# Altium PCB Goldstrike1_Rev01 - DLV.PcbDoc (part 3 of 3)
Units mm, origin at the board's own origin, x right, y up, seen from the top; angles counter-clockwise.
Board outline 170 x 260 mm, 4 copper layers (L1, L2, L3, L4), stack 1.577 mm thick; 674 components, 193 nets, 4474 pads, 0 vias.
Unrouted connection lines stored in the file: 3448.
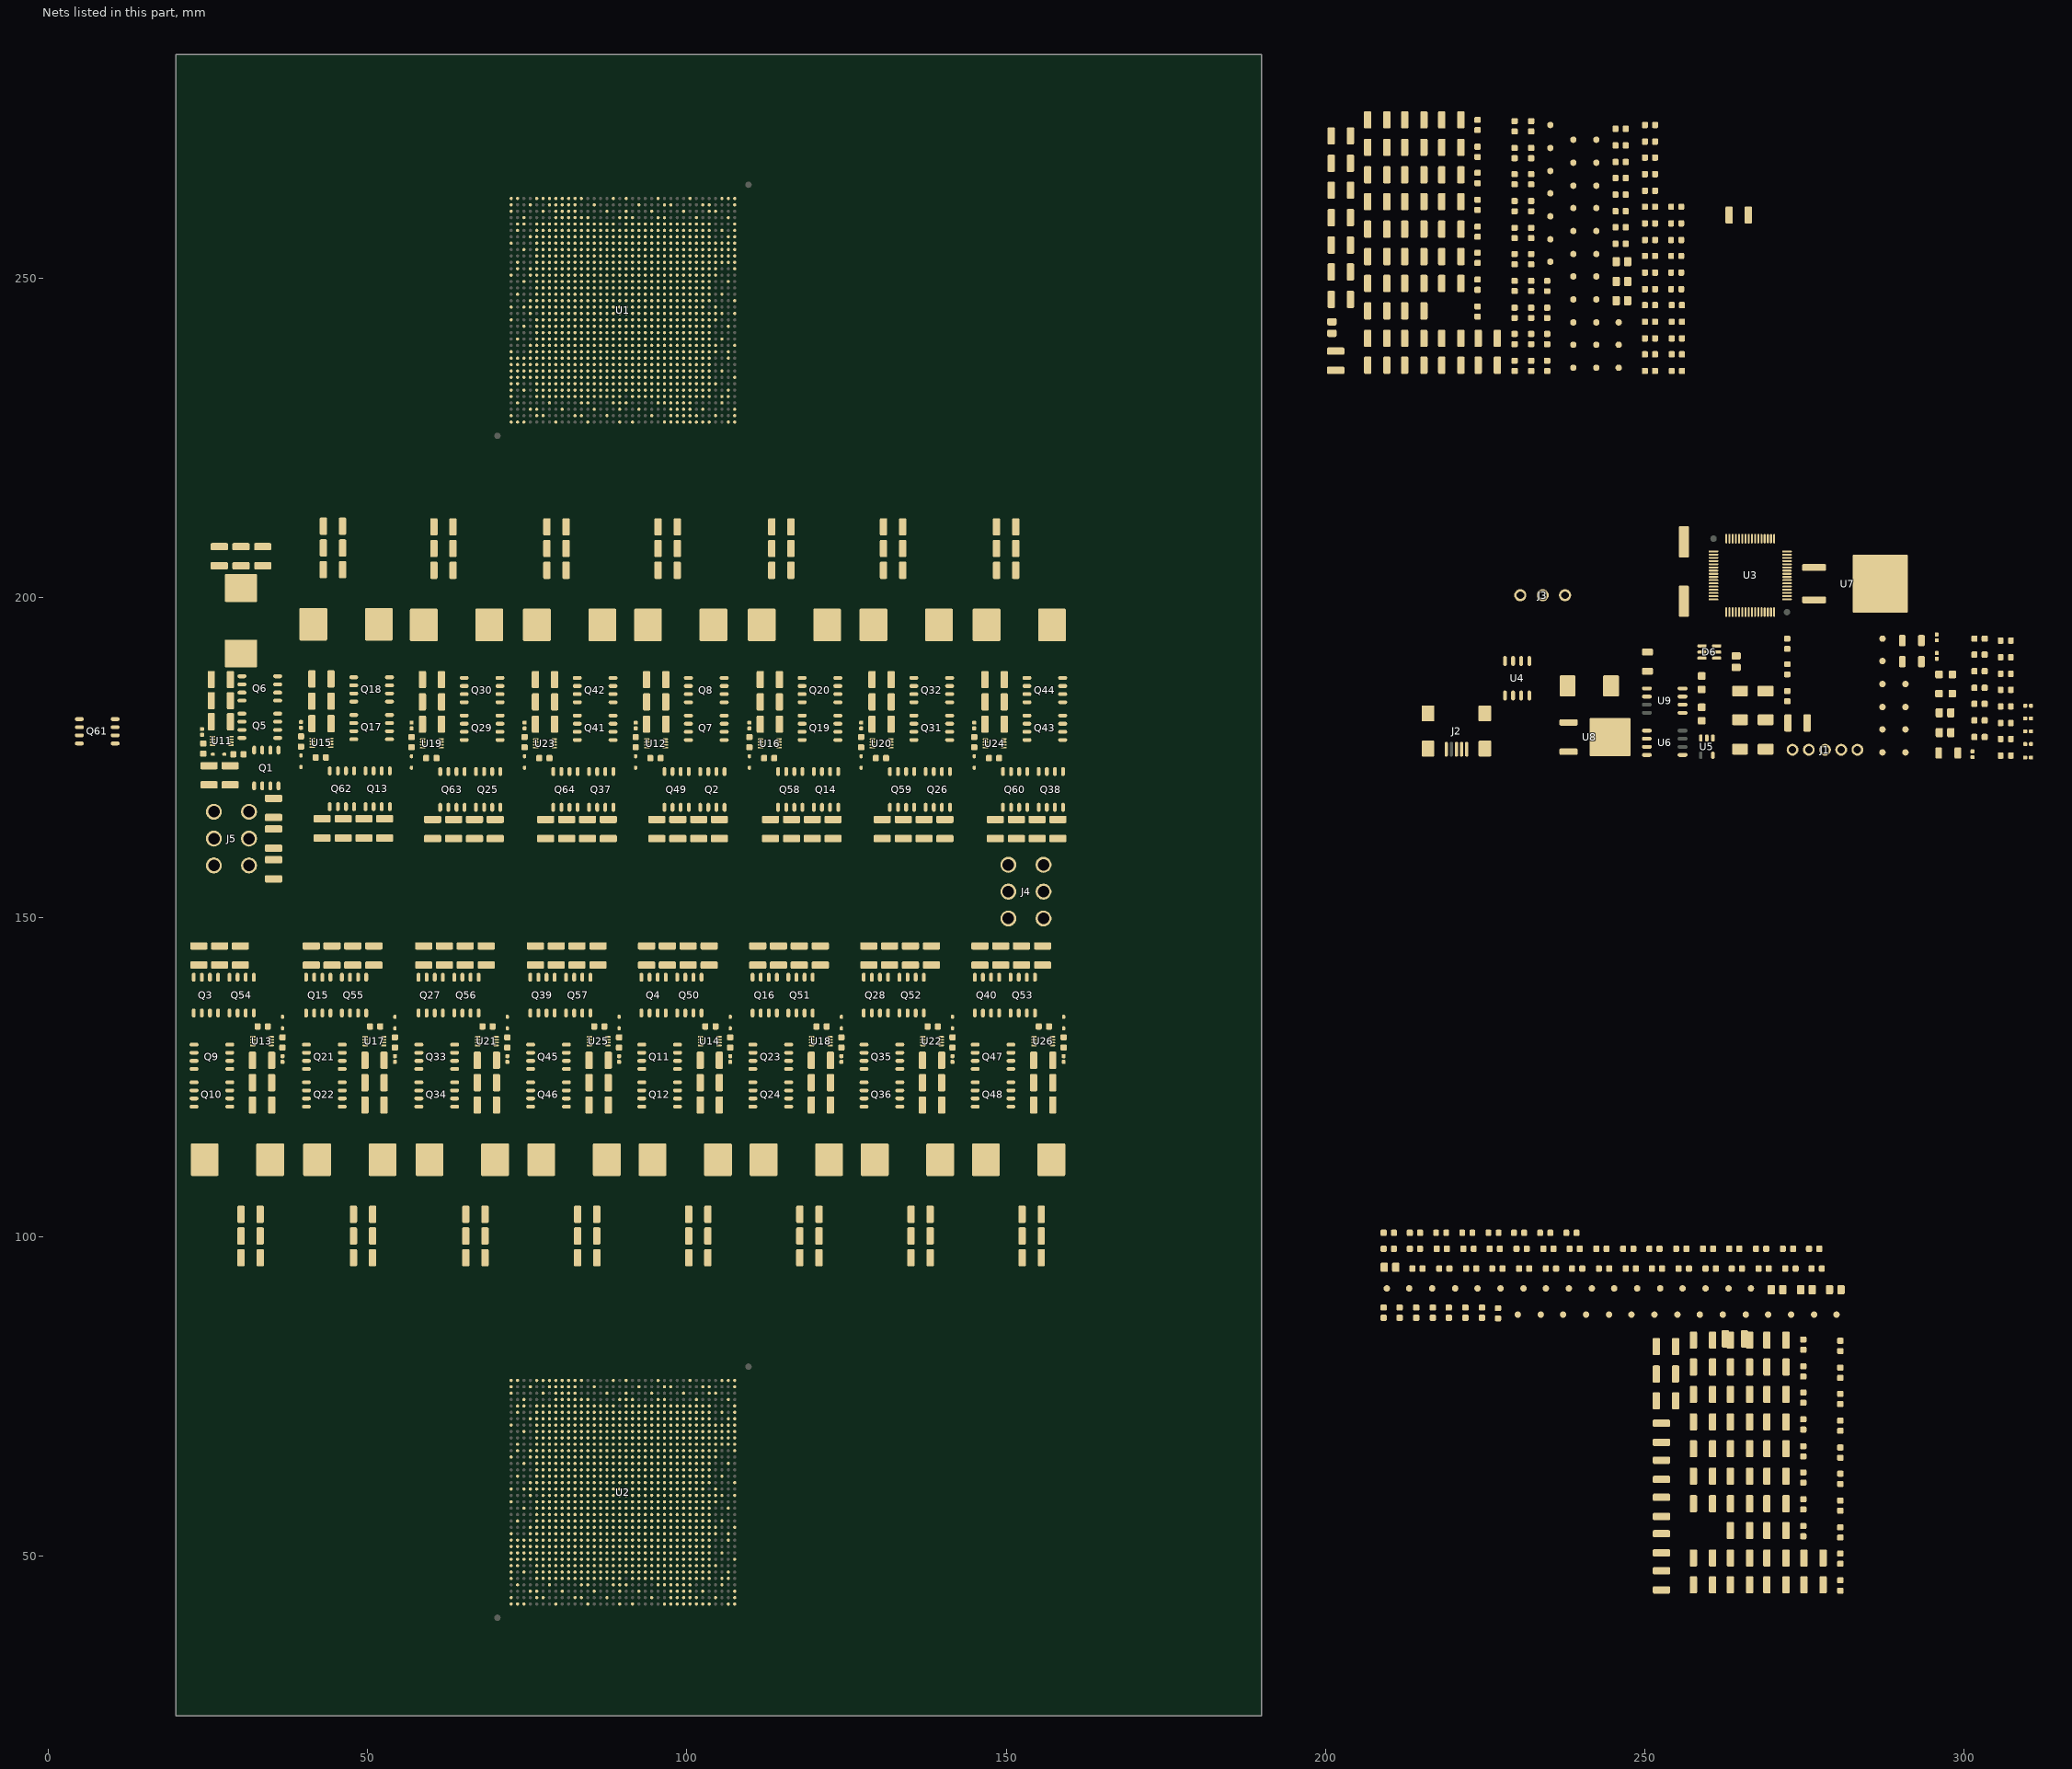
[diagram p3: the nets of this part, all layers, seen from the top]

## Nets (pads, with @x,y where several pads share a name; then routed paths per layer and width w, separated by ;. In a path a pad name is that pad's centre, name@x,y a point inside that pad or via, vN(x,y) a via of type N, cw(c..) or ccw(c..) an arc to the next point about the centre after c; other vN are vias at no path point)
1V: C19.2 C34.2 C35.2 C36.2 C39.2 C40.2 C41.2 C44.2 C45.2 C46.2 C49.2 C50.2 C51.2 C66.2 C67.2 C68.2 C71.2 C72.2 C73.2 C76.2 C77.2 C78.2 C81.2 C82.2 C83.2 C98.2 C99.2 C100.2 C103.2 C104.2 C105.2 C108.2 C109.2 C110.2 C113.2 C114.2 C115.2 C130.2 C131.2 C132.2 C135.2 C136.2 C137.2 C140.2 C141.2 C142.2 C145.2 C146.2 C147.2 C188.2 C189.2 C190.2 C191.2 C192.2 C193.2 C194.2 C195.2 C196.2 C197.2 C198.2 C199.2 C200.2 C201.2 C202.2 C203.2 C204.2 C205.2 C206.2 C207.2 C208.2 C209.2 C210.2 C211.2 C212.2 C213.2 C214.2 C215.2 C216.2 C217.2 C218.2 C219.2 C220.2 C221.2 C222.2 C223.2 C224.2 C225.2 C226.2 C227.2 C228.2 C229.2 C230.2 C231.2 C232.2 C233.2 C234.2 C235.2 C236.2 C237.2 C238.2 C239.2 C240.2 C241.2 C242.2 C243.2 C244.2 C245.2 C246.2 C247.2 C248.2 C249.2 C250.2 C251.2 C252.2 C253.2 C254.2 C255.2 C256.2 C257.2 C258.2 C259.2 C260.2 C261.2 C262.2 C263.2 C264.2 C265.2 C266.2 C267.2 C268.2 C269.2 C270.2 C271.2 C272.2 C273.2 C274.2 C275.2 C276.2 C277.2 C278.2 C279.2 C280.2 C281.2 C282.2 C283.2 C284.2 C285.2 C286.2 C287.2 C288.2 C289.2 C290.2 C291.2 C292.2 C293.2 C294.2 C295.2 C296.2 C297.2 C298.2 C299.2 C300.2 C301.2 C302.2 C303.2 C304.2 C305.2 C306.2 C307.2 C308.2 C309.2 C310.2 C311.2 C312.2 C313.2 C314.2 C315.2 C316.2 C317.2 C318.2 C319.2 C320.2 C321.2 C322.2 C323.2 C324.2 C325.2 C326.2 C327.2 C328.2 C329.2 C330.2 C331.2 C332.2 C333.2 C334.2 C335.2 C336.2 C337.2 C338.2 C339.2 C340.2 C341.2 C342.2 C343.2 C344.2 C345.2 C346.2 C350.2 C351.2 C352.2 C355.2 C356.2 C357.2 C360.2 C361.2 C362.2 C365.2 C366.2 C367.2 C370.2 C371.2 C372.2 C375.2 C376.2 C377.2 C380.2 C381.2 C382.2 C385.2 C386.2 C387.2 C388.2 C389.2 C390.2 C393.2 C394.2 C395.2 C396.2 C397.2 C398.2 C399.2 C400.2 C401.2 C408.2 C409.2 C410.2 C411.2 C412.2 C413.2 C414.2 C415.2 C416.2 C417.2 C418.2 C419.2 FB1.1 FB2.1 FB3.1 FB4.1 FB6.1 FB7.1 FB8.1 FB9.1 L1.2 L2.2 L3.2 L4.2 L5.2 L6.2 L7.2 L8.2 L9.2 L10.2 L11.2 L12.2 L13.2 L14.2 L15.2 L16.2 R6.2 U1.A11 U1.AA6 U1.AA8 U1.AA10 U1.AA12 U1.AA14 U1.AA16 U1.AA18 U1.AA19 U1.AA21 U1.AA23 U1.AA25 U1.AA27 U1.AA29 U1.AA31 U1.AB7 U1.AB9 U1.AB11 U1.AB13 U1.AB15 U1.AB17 U1.AB20 U1.AB22 U1.AB24 U1.AB26 U1.AB28 U1.AB30 U1.AB32 U1.AC6 U1.AC8 U1.AC10 U1.AC12 U1.AC14 U1.AC16 U1.AC18 U1.AC19 U1.AC21 U1.AC23 U1.AC25 U1.AC27 U1.AC29 U1.AC31 U1.AD5 U1.AD7 U1.AD9 U1.AD11 U1.AD13 U1.AD15 U1.AD17 U1.AD20 U1.AD22 U1.AD24 U1.AD26 U1.AD28 U1.AD30 U1.AD32 U1.AE6 U1.AE8 U1.AE10 U1.AE12 U1.AE14 U1.AE16 U1.AE18 U1.AE19 U1.AE21 U1.AE23 U1.AE25 U1.AE27 U1.AE29 U1.AE31 U1.AF1 U1.AF7 U1.AF9 U1.AF11 U1.AF13 U1.AF15 U1.AF17 U1.AF20 U1.AF22 U1.AF24 U1.AF26 U1.AF28 U1.AF30 U1.AF32 U1.AG6 U1.AG8 U1.AG10 U1.AG12 U1.AG14 U1.AG16 U1.AG18 U1.AG19 U1.AG21 U1.AG23 U1.AG25 U1.AG27 U1.AG29 U1.AG31 U1.AH5 U1.AH7 U1.AH9 U1.AH11 U1.AH13 U1.AH15 U1.AH17 U1.AH20 U1.AH22 U1.AH24 U1.AH26 U1.AH28 U1.AH30 U1.AH32 U1.AJ6 U1.AJ8 U1.AJ10 U1.AJ12 U1.AJ14 U1.AJ16 U1.AJ18 U1.AJ19 U1.AJ21 U1.AJ23 U1.AJ25 U1.AJ27 U1.AJ29 U1.AJ31 U1.AK5 U1.AK7 U1.AK9 U1.AK11 U1.AK13 U1.AK15 U1.AK17 U1.AK20 U1.AK22 U1.AK24 U1.AK26 U1.AK28 U1.AK30 U1.AL6 U1.AL8 U1.AL10 U1.AL12 U1.AL14 U1.AL16 U1.AL18 U1.AL19 U1.AL21 U1.AL23 U1.AL25 U1.AL27 U1.AL29 U1.AL31 U1.AM9 U1.AM11 U1.AM13 U1.AM15 U1.AM17 U1.AM24 U1.AM28 U1.AM30 U1.AN18 U1.AT26 U1.D19 U1.E7 U1.E9 U1.E13 U1.E20 U1.E22 U1.E24 U1.E26 U1.E28 U1.F6 U1.F8 U1.F10 U1.F12 U1.F14 U1.F16 U1.F18 U1.F19 U1.F21 U1.F23 U1.F25 U1.F27 U1.F29 U1.F31 U1.G7 U1.G9 U1.G11 U1.G13 U1.G15 U1.G17 U1.G20 U1.G22 U1.G24 U1.G26 U1.G28 U1.G30 U1.G32 U1.H6 U1.H8 U1.H10 U1.H12 U1.H14 U1.H16 U1.H18 U1.H19 U1.H21 U1.H23 U1.H25 U1.H27 U1.H29 U1.H31 U1.J5 U1.J7 U1.J9 U1.J11 U1.J13 U1.J15 U1.J17 U1.J20 U1.J22 U1.J24 U1.J26 U1.J28 U1.J30 U1.J32 U1.K6 U1.K8 U1.K10 U1.K12 U1.K14 U1.K16 U1.K18 U1.K19 U1.K21 U1.K23 U1.K25 U1.K27 U1.K29 U1.K31 U1.L5 U1.L7 U1.L9 U1.L11 U1.L13 U1.L15 U1.L17 U1.L20 U1.L22 U1.L24 U1.L26 U1.L28 U1.L30 U1.L36 U1.M6 U1.M8 U1.M10 U1.M12 U1.M14 U1.M16 U1.M18 U1.M19 U1.M21 U1.M23 U1.M25 U1.M27 U1.M29 U1.M31 U1.N5 U1.N7 U1.N9 U1.N11 U1.N13 U1.N15 U1.N17 U1.N20 U1.N22 U1.N24 U1.N26 U1.N28 U1.N30 U1.N32 U1.P6 U1.P8 U1.P10 U1.P12 U1.P14 U1.P16 U1.P18 U1.P19 U1.P21 U1.P23 U1.P25 U1.P27 U1.P29 U1.P31 U1.R5 U1.R7 U1.R9 U1.R11 U1.R13 U1.R15 U1.R17 U1.R20 U1.R22 U1.R24 U1.R26 U1.R28 U1.R30 U1.T6 U1.T8 U1.T10 U1.T12 U1.T14 U1.T16 U1.T18 U1.T19 U1.T21 U1.T23 U1.T25 U1.T27 U1.T29 U1.T31 U1.U5 U1.U7 U1.U9 U1.U11 U1.U13 U1.U15 U1.U17 U1.U20 U1.U22 U1.U24 U1.U26 U1.U28 U1.U30 U1.V4 U1.V6 U1.V8 U1.V10 U1.V12 U1.V14 U1.V16 U1.V18 U1.V19 U1.V21 U1.V23 U1.V25 U1.V27 U1.V29 U1.V31 U1.W6 U1.W8 U1.W10 U1.W12 U1.W14 U1.W16 U1.W18 U1.W19 U1.W21 U1.W23 U1.W25 U1.W27 U1.W29 U1.W31 U1.W33 U1.Y7 U1.Y9 U1.Y11 U1.Y13 U1.Y15 U1.Y17 U1.Y20 U1.Y22 U1.Y24 U1.Y26 U1.Y28 U1.Y30 U1.Y32 U2.A11 U2.AA6 U2.AA8 U2.AA10 U2.AA12 U2.AA14 U2.AA16 U2.AA18 U2.AA19 U2.AA21 U2.AA23 U2.AA25 U2.AA27 U2.AA29 U2.AA31 U2.AB7 U2.AB9 U2.AB11 U2.AB13 U2.AB15 U2.AB17 U2.AB20 U2.AB22 U2.AB24 U2.AB26 U2.AB28 U2.AB30 U2.AB32 U2.AC6 U2.AC8 U2.AC10 U2.AC12 U2.AC14 U2.AC16 U2.AC18 U2.AC19 U2.AC21 U2.AC23 U2.AC25 U2.AC27 U2.AC29 U2.AC31 U2.AD5 U2.AD7 U2.AD9 U2.AD11 U2.AD13 U2.AD15 U2.AD17 U2.AD20 U2.AD22 U2.AD24 U2.AD26 U2.AD28 U2.AD30 U2.AD32 U2.AE6 U2.AE8 U2.AE10 U2.AE12 U2.AE14 U2.AE16 U2.AE18 U2.AE19 U2.AE21 U2.AE23 U2.AE25 U2.AE27 U2.AE29 U2.AE31 U2.AF1 U2.AF7 U2.AF9 U2.AF11 U2.AF13 U2.AF15 U2.AF17 U2.AF20 U2.AF22 U2.AF24 U2.AF26 U2.AF28 U2.AF30 U2.AF32 U2.AG6 U2.AG8 U2.AG10 U2.AG12 U2.AG14 U2.AG16 U2.AG18 U2.AG19 U2.AG21 U2.AG23 U2.AG25 U2.AG27 U2.AG29 U2.AG31 U2.AH5 U2.AH7 U2.AH9 U2.AH11 U2.AH13 U2.AH15 U2.AH17 U2.AH20 U2.AH22 U2.AH24 U2.AH26 U2.AH28 U2.AH30 U2.AH32 U2.AJ6 U2.AJ8 U2.AJ10 U2.AJ12 U2.AJ14 U2.AJ16 U2.AJ18 U2.AJ19 U2.AJ21 U2.AJ23 U2.AJ25 U2.AJ27 U2.AJ29 U2.AJ31 U2.AK5 U2.AK7 U2.AK9 U2.AK11 U2.AK13 U2.AK15 U2.AK17 U2.AK20 U2.AK22 U2.AK24 U2.AK26 U2.AK28 U2.AK30 U2.AL6 U2.AL8 U2.AL10 U2.AL12 U2.AL14 U2.AL16 U2.AL18 U2.AL19 U2.AL21 U2.AL23 U2.AL25 U2.AL27 U2.AL29 U2.AL31 U2.AM9 U2.AM11 U2.AM13 U2.AM15 U2.AM17 U2.AM24 U2.AM28 U2.AM30 U2.AN18 U2.AT26 U2.D19 U2.E7 U2.E9 U2.E13 U2.E20 U2.E22 U2.E24 U2.E26 U2.E28 U2.F6 U2.F8 U2.F10 U2.F12 U2.F14 U2.F16 U2.F18 U2.F19 U2.F21 U2.F23 U2.F25 U2.F27 U2.F29 U2.F31 U2.G7 U2.G9 U2.G11 U2.G13 U2.G15 U2.G17 U2.G20 U2.G22 U2.G24 U2.G26 U2.G28 U2.G30 U2.G32 U2.H6 U2.H8 U2.H10 U2.H12 U2.H14 U2.H16 U2.H18 U2.H19 U2.H21 U2.H23 U2.H25 U2.H27 U2.H29 U2.H31 U2.J5 U2.J7 U2.J9 U2.J11 U2.J13 U2.J15 U2.J17 U2.J20 U2.J22 U2.J24 U2.J26 U2.J28 U2.J30 U2.J32 U2.K6 U2.K8 U2.K10 U2.K12 U2.K14 U2.K16 U2.K18 U2.K19 U2.K21 U2.K23 U2.K25 U2.K27 U2.K29 U2.K31 U2.L5 U2.L7 U2.L9 U2.L11 U2.L13 U2.L15 U2.L17 U2.L20 U2.L22 U2.L24 U2.L26 U2.L28 U2.L30 U2.L36 U2.M6 U2.M8 U2.M10 U2.M12 U2.M14 U2.M16 U2.M18 U2.M19 U2.M21 U2.M23 U2.M25 U2.M27 U2.M29 U2.M31 U2.N5 U2.N7 U2.N9 U2.N11 U2.N13 U2.N15 U2.N17 U2.N20 U2.N22 U2.N24 U2.N26 U2.N28 U2.N30 U2.N32 U2.P6 U2.P8 U2.P10 U2.P12 U2.P14 U2.P16 U2.P18 U2.P19 U2.P21 U2.P23 U2.P25 U2.P27 U2.P29 U2.P31 U2.R5 U2.R7 U2.R9 U2.R11 U2.R13 U2.R15 U2.R17 U2.R20 U2.R22 U2.R24 U2.R26 U2.R28 U2.R30 U2.T6 U2.T8 U2.T10 U2.T12 U2.T14 U2.T16 U2.T18 U2.T19 U2.T21 U2.T23 U2.T25 U2.T27 U2.T29 U2.T31 U2.U5 U2.U7 U2.U9 U2.U11 U2.U13 U2.U15 U2.U17 U2.U20 U2.U22 U2.U24 U2.U26 U2.U28 U2.U30 U2.V4 U2.V6 U2.V8 U2.V10 U2.V12 U2.V14 U2.V16 U2.V18 U2.V19 U2.V21 U2.V23 U2.V25 U2.V27 U2.V29 U2.V31 U2.W6 U2.W8 U2.W10 U2.W12 U2.W14 U2.W16 U2.W18 U2.W19 U2.W21 U2.W23 U2.W25 U2.W27 U2.W29 U2.W31 U2.W33 U2.Y7 U2.Y9 U2.Y11 U2.Y13 U2.Y15 U2.Y17 U2.Y20 U2.Y22 U2.Y24 U2.Y26 U2.Y28 U2.Y30 U2.Y32
3.3V: C4.1 C6.1 C7.1 C8.1 C9.1 C13.2 C14.1 C24.1 C25.1 C26.1 C27.1 C56.1 C57.1 C58.1 C59.1 C88.1 C89.1 C90.1 C91.1 C120.1 C121.1 C122.1 C123.1 C164.2 C165.2 C166.2 C167.2 C168.2 C169.2 C170.2 C171.2 C172.2 C173.2 C174.2 C175.2 C176.2 C177.2 C178.2 C179.2 C180.2 C181.2 C182.2 C183.2 C184.2 C185.2 C186.2 C187.2 C347.1 J1.2 R9.2 R14.2 R21.1 R27.1 R28.1 R29.1 R30.1 R31.1 R32.1 R33.1 R34.1 U1.A7 U1.A17 U1.A24 U1.A34 U1.AA35 U1.AB5 U1.AC2 U1.AD36 U1.AE33 U1.AF3 U1.AH34 U1.AJ4 U1.AK1 U1.AL35 U1.AM5 U1.AM22 U1.AM32 U1.AM34 U1.AN2 U1.AN12 U1.AN19 U1.AN29 U1.AP5 U1.AP9 U1.AP26 U1.AP36 U1.AR6 U1.AR16 U1.AR23 U1.AR33 U1.AT3 U1.AT13 U1.AT20 U1.AT30 U1.B4 U1.B14 U1.B21 U1.B31 U1.C1 U1.C11 U1.C28 U1.C32 U1.D8 U1.D18 U1.D25 U1.D35 U1.E3 U1.E5 U1.E15 U1.E32 U1.F2 U1.G36 U1.H33 U1.J3 U1.L34 U1.M4 U1.N1 U1.P35 U1.R32 U1.T2 U1.U36 U1.V33 U1.W4 U1.Y1 U2.A7 U2.A17 U2.A24 U2.A34 U2.AA35 U2.AB5 U2.AC2 U2.AD36 U2.AE33 U2.AF3 U2.AH34 U2.AJ4 U2.AK1 U2.AL35 U2.AM5 U2.AM22 U2.AM32 U2.AM34 U2.AN2 U2.AN12 U2.AN19 U2.AN29 U2.AP5 U2.AP9 U2.AP26 U2.AP36 U2.AR6 U2.AR16 U2.AR23 U2.AR33 U2.AT3 U2.AT13 U2.AT20 U2.AT30 U2.B4 U2.B14 U2.B21 U2.B31 U2.C1 U2.C11 U2.C28 U2.C32 U2.D8 U2.D18 U2.D25 U2.D35 U2.E3 U2.E5 U2.E15 U2.E32 U2.F2 U2.G36 U2.H33 U2.J3 U2.L34 U2.M4 U2.N1 U2.P35 U2.R32 U2.T2 U2.U36 U2.V33 U2.W4 U2.Y1 U3.10 U3.19 U3.26 U3.35 U3.38 U3.57 U5.5 U6.1 U11.6 U12.6 U13.6 U14.6 U15.6 U16.6 U17.6 U18.6 U19.6 U20.6 U21.6 U22.6 U23.6 U24.6 U25.6 U26.6
5.0V: C12.1 C20.2 C21.2 C22.2 C23.2 C52.2 C53.2 C54.2 C55.2 C84.2 C85.2 C86.2 C87.2 C116.2 C117.2 C118.2 C119.2 D5.2 D7.1 D10.2 D11.2 D12.2 D13.2 D14.2 D15.2 D16.2 D17.2 D18.2 D19.2 D20.2 D21.2 D22.2 D23.2 D24.2 D25.2 J3.1 R12.1 U4.1 U7.3 U8.3 U11.7 U12.7 U13.7 U14.7 U15.7 U16.7 U17.7 U18.7 U19.7 U20.7 U21.7 U22.7 U23.7 U24.7 U25.7 U26.7
12V: C32.2 C33.2 C37.2 C38.2 C42.2 C43.2 C47.2 C48.2 C64.2 C65.2 C69.2 C70.2 C74.2 C75.2 C79.2 C80.2 C96.2 C97.2 C101.2 C102.2 C106.2 C107.2 C111.2 C112.2 C128.2 C129.2 C133.2 C134.2 C138.2 C139.2 C143.2 C144.2 C348.2 C349.2 C353.2 C354.2 C358.2 C359.2 C363.2 C364.2 C368.2 C369.2 C373.2 C374.2 C378.2 C379.2 C383.2 C384.2 C391.2 C392.2 C402.2 C403.2 C404.2 C405.2 C406.2 C407.2 C420.2 C421.2 C422.2 C423.2 C424.2 C425.2 C426.2 C427.2 D8.2 D9.1 J3.3 J4.1 J4.2 J4.3 J5.1 J5.2 J5.3 Q1.5 Q1.6 Q1.7 Q1.8 Q2.5 Q2.6 Q2.7 Q2.8 Q3.5 Q3.6 Q3.7 Q3.8 Q4.5 Q4.6 Q4.7 Q4.8 Q13.5 Q13.6 Q13.7 Q13.8 Q14.5 Q14.6 Q14.7 Q14.8 Q15.5 Q15.6 Q15.7 Q15.8 Q16.5 Q16.6 Q16.7 Q16.8 Q25.5 Q25.6 Q25.7 Q25.8 Q26.5 Q26.6 Q26.7 Q26.8 Q27.5 Q27.6 Q27.7 Q27.8 Q28.5 Q28.6 Q28.7 Q28.8 Q37.5 Q37.6 Q37.7 Q37.8 Q38.5 Q38.6 Q38.7 Q38.8 Q39.5 Q39.6 Q39.7 Q39.8 Q40.5 Q40.6 Q40.7 Q40.8 Q49.5 Q49.6 Q49.7 Q49.8 Q50.5 Q50.6 Q50.7 Q50.8 Q51.5 Q51.6 Q51.7 Q51.8 Q52.5 Q52.6 Q52.7 Q52.8 Q53.5 Q53.6 Q53.7 Q53.8 Q54.5 Q54.6 Q54.7 Q54.8 Q55.5 Q55.6 Q55.7 Q55.8 Q56.5 Q56.6 Q56.7 Q56.8 Q57.5 Q57.6 Q57.7 Q57.8 Q58.5 Q58.6 Q58.7 Q58.8 Q59.5 Q59.6 Q59.7 Q59.8 Q60.5 Q60.6 Q60.7 Q60.8 Q61.5 Q61.6 Q61.7 Q61.8 Q62.5 Q62.6 Q62.7 Q62.8 Q63.5 Q63.6 Q63.7 Q63.8 Q64.5 Q64.6 Q64.7 Q64.8 R4.1 R13.2
ANAVDD_PLL_1: C148.1 C149.1 FB1.2 U1.AF5
ANAVDD_PLL_2: C150.1 C151.1 FB3.2 U1.AM26
ANAVDD_PLL_3: C152.1 C153.1 FB2.2 U1.L32
ANAVDD_PLL_4: C154.1 C155.1 FB4.2 U1.E11
ANAVDD_PLL_5: C156.1 C157.1 FB6.2 U2.AF5
ANAVDD_PLL_6: C158.1 C159.1 FB8.2 U2.AM26
ANAVDD_PLL_7: C160.1 C161.1 FB7.2 U2.L32
ANAVDD_PLL_8: C162.1 C163.1 FB9.2 U2.E11
BOOT1: C28.1 D10.1 U11.8
BOOT2: C60.1 D14.1 U15.8
BOOT3: C92.1 D18.1 U19.8
BOOT4: C124.1 D22.1 U23.8
BOOT5: C29.1 D11.1 U12.8
BOOT6: C61.1 D15.1 U16.8
BOOT7: C93.1 D19.1 U20.8
BOOT8: C125.1 D23.1 U24.8
BOOT9: C30.1 D12.1 U13.8
BOOT10: C62.1 D16.1 U17.8
BOOT11: C94.1 D20.1 U21.8
BOOT12: C126.1 D24.1 U25.8
BOOT13: C31.1 D13.1 U14.8
BOOT14: C63.1 D17.1 U18.8
BOOT15: C95.1 D21.1 U22.8
BOOT16: C127.1 D25.1 U26.8
D+: D6.1 J2.3 U3.37
D-: D6.3 J2.2 U3.36
FB: C3.1 R6.1 U3.17
GND: C1.2 C2.2 C3.2 C4.2 C5.2 C6.2 C7.2 C8.2 C9.2 C10.2 C11.2 C12.2 C13.1 C14.2 C15.2 C16.2 C17.2 C18.2 C19.1 C20.1 C21.1 C22.1 C23.1 C24.2 C25.2 C26.2 C27.2 C32.1 C33.1 C34.1 C35.1 C36.1 C37.1 C38.1 C39.1 C40.1 C41.1 C42.1 C43.1 C44.1 C45.1 C46.1 C47.1 C48.1 C49.1 C50.1 C51.1 C52.1 C53.1 C54.1 C55.1 C56.2 C57.2 C58.2 C59.2 C64.1 C65.1 C66.1 C67.1 C68.1 C69.1 C70.1 C71.1 C72.1 C73.1 C74.1 C75.1 C76.1 C77.1 C78.1 C79.1 C80.1 C81.1 C82.1 C83.1 C84.1 C85.1 C86.1 C87.1 C88.2 C89.2 C90.2 C91.2 C96.1 C97.1 C98.1 C99.1 C100.1 C101.1 C102.1 C103.1 C104.1 C105.1 C106.1 C107.1 C108.1 C109.1 C110.1 C111.1 C112.1 C113.1 C114.1 C115.1 C116.1 C117.1 C118.1 C119.1 C120.2 C121.2 C122.2 C123.2 C128.1 C129.1 C130.1 C131.1 C132.1 C133.1 C134.1 C135.1 C136.1 C137.1 C138.1 C139.1 C140.1 C141.1 C142.1 C143.1 C144.1 C145.1 C146.1 C147.1 C148.2 C149.2 C150.2 C151.2 C152.2 C153.2 C154.2 C155.2 C156.2 C157.2 C158.2 C159.2 C160.2 C161.2 C162.2 C163.2 C164.1 C165.1 C166.1 C167.1 C168.1 C169.1 C170.1 C171.1 C172.1 C173.1 C174.1 C175.1 C176.1 C177.1 C178.1 C179.1 C180.1 C181.1 C182.1 C183.1 C184.1 C185.1 C186.1 C187.1 C188.1 C189.1 C190.1 C191.1 C192.1 C193.1 C194.1 C195.1 C196.1 C197.1 C198.1 C199.1 C200.1 C201.1 C202.1 C203.1 C204.1 C205.1 C206.1 C207.1 C208.1 C209.1 C210.1 C211.1 C212.1 C213.1 C214.1 C215.1 C216.1 C217.1 C218.1 C219.1 C220.1 C221.1 C222.1 C223.1 C224.1 C225.1 C226.1 C227.1 C228.1 C229.1 C230.1 C231.1 C232.1 C233.1 C234.1 C235.1 C236.1 C237.1 C238.1 C239.1 C240.1 C241.1 C242.1 C243.1 C244.1 C245.1 C246.1 C247.1 C248.1 C249.1 C250.1 C251.1 C252.1 C253.1 C254.1 C255.1 C256.1 C257.1 C258.1 C259.1 C260.1 C261.1 C262.1 C263.1 C264.1 C265.1 C266.1 C267.1 C268.1 C269.1 C270.1 C271.1 C272.1 C273.1 C274.1 C275.1 C276.1 C277.1 C278.1 C279.1 C280.1 C281.1 C282.1 C283.1 C284.1 C285.1 C286.1 C287.1 C288.1 C289.1 C290.1 C291.1 C292.1 C293.1 C294.1 C295.1 C296.1 C297.1 C298.1 C299.1 C300.1 C301.1 C302.1 C303.1 C304.1 C305.1 C306.1 C307.1 C308.1 C309.1 C310.1 C311.1 C312.1 C313.1 C314.1 C315.1 C316.1 C317.1 C318.1 C319.1 C320.1 C321.1 C322.1 C323.1 C324.1 C325.1 C326.1 C327.1 C328.1 C329.1 C330.1 C331.1 C332.1 C333.1 C334.1 C335.1 C336.1 C337.1 C338.1 C339.1 C340.1 C341.1 C342.1 C343.1 C344.1 C345.1 C346.1 C347.2 C348.1 C349.1 C350.1 C351.1 C352.1 C353.1 C354.1 C355.1 C356.1 C357.1 C358.1 C359.1 C360.1 C361.1 C362.1 C363.1 C364.1 C365.1 C366.1 C367.1 C368.1 C369.1 C370.1 C371.1 C372.1 C373.1 C374.1 C375.1 C376.1 C377.1 C378.1 C379.1 C380.1 C381.1 C382.1 C383.1 C384.1 C385.1 C386.1 C387.1 C388.1 C389.1 C390.1 C391.1 C392.1 C393.1 C394.1 C395.1 C396.1 C397.1 C398.1 C399.1 C400.1 C401.1 C402.1 C403.1 C404.1 C405.1 C406.1 C407.1 C408.1 C409.1 C410.1 C411.1 C412.1 C413.1 C414.1 C415.1 C416.1 C417.1 C418.1 C419.1 C420.1 C421.1 C422.1 C423.1 C424.1 C425.1 C426.1 C427.1 D1.1 D2.1 D3.1 D4.1 D6.2 D6.5 D9.2 J1.3 J2.5 J2.6 J2.7 J2.8 J2.9 J3.2 J4.4 J4.5 J4.6 J5.4 J5.5 J5.6 Q5.1 Q5.2 Q5.3 Q6.1 Q6.2 Q6.3 Q7.1 Q7.2 Q7.3 Q8.1 Q8.2 Q8.3 Q9.1 Q9.2 Q9.3 Q10.1 Q10.2 Q10.3 Q11.1 Q11.2 Q11.3 Q12.1 Q12.2 Q12.3 Q17.1 Q17.2 Q17.3 Q18.1 Q18.2 Q18.3 Q19.1 Q19.2 Q19.3 Q20.1 Q20.2 Q20.3 Q21.1 Q21.2 Q21.3 Q22.1 Q22.2 Q22.3 Q23.1 Q23.2 Q23.3 Q24.1 Q24.2 Q24.3 Q29.1 Q29.2 Q29.3 Q30.1 Q30.2 Q30.3 Q31.1 Q31.2 Q31.3 Q32.1 Q32.2 Q32.3 Q33.1 Q33.2 Q33.3 Q34.1 Q34.2 Q34.3 Q35.1 Q35.2 Q35.3 Q36.1 Q36.2 Q36.3 Q41.1 Q41.2 Q41.3 Q42.1 Q42.2 Q42.3 Q43.1 Q43.2 Q43.3 Q44.1 Q44.2 Q44.3 Q45.1 Q45.2 Q45.3 Q46.1 Q46.2 Q46.3 Q47.1 Q47.2 Q47.3 Q48.1 Q48.2 Q48.3 R1.2 R2.2 R3.2 R5.1 R17.2 R20.2 R22.2 R23.2 R26.2 TP70.1 TP71.1 TP72.1 TP73.1 TP74.1 TP75.1 TP76.1 TP77.1 U1.A1 U1.A2 U1.A10 U1.A12 U1.A19 U1.A29 U1.A35 U1.A36 U1.AA3 U1.AA5 U1.AA7 U1.AA9 U1.AA11 U1.AA13 U1.AA15 U1.AA17 U1.AA20 U1.AA22 U1.AA24 U1.AA26 U1.AA28 U1.AA30 U1.AA32 U1.AB6 U1.AB8 U1.AB10 U1.AB12 U1.AB14 U1.AB16 U1.AB18 U1.AB19 U1.AB21 U1.AB23 U1.AB25 U1.AB27 U1.AB29 U1.AB31 U1.AC5 U1.AC7 U1.AC9 U1.AC11 U1.AC13 U1.AC15 U1.AC17 U1.AC20 U1.AC22 U1.AC24 U1.AC26 U1.AC28 U1.AC30 U1.AC32 U1.AC34 U1.AD4 U1.AD6 U1.AD8 U1.AD10 U1.AD12 U1.AD14 U1.AD16 U1.AD18 U1.AD19 U1.AD21 U1.AD23 U1.AD25 U1.AD27 U1.AD29 U1.AD31 U1.AE1 U1.AE5 U1.AE7 U1.AE9 U1.AE11 U1.AE13 U1.AE15 U1.AE17 U1.AE20 U1.AE22 U1.AE24 U1.AE26 U1.AE28 U1.AE30 U1.AE32 U1.AF2 U1.AF6 U1.AF8 U1.AF10 U1.AF12 U1.AF14 U1.AF16 U1.AF18 U1.AF19 U1.AF21 U1.AF23 U1.AF25 U1.AF27 U1.AF29 U1.AF31 U1.AF35 U1.AG1 U1.AG5 U1.AG7 U1.AG9 U1.AG11 U1.AG13 U1.AG15 U1.AG17 U1.AG20 U1.AG22 U1.AG24 U1.AG26 U1.AG28 U1.AG30 U1.AG32 U1.AH2 U1.AH6 U1.AH8 U1.AH10 U1.AH12 U1.AH14 U1.AH16 U1.AH18 U1.AH19 U1.AH21 U1.AH23 U1.AH25 U1.AH27 U1.AH29 U1.AH31 U1.AJ5 U1.AJ7 U1.AJ9 U1.AJ11 U1.AJ13 U1.AJ15 U1.AJ17 U1.AJ20 U1.AJ22 U1.AJ24 U1.AJ26 U1.AJ28 U1.AJ30 U1.AJ32 U1.AJ36 U1.AK6 U1.AK8 U1.AK10 U1.AK12 U1.AK14 U1.AK16 U1.AK18 U1.AK19 U1.AK21 U1.AK23 U1.AK25 U1.AK27 U1.AK29 U1.AK31 U1.AK33 U1.AL3 U1.AL5 U1.AL7 U1.AL9 U1.AL11 U1.AL13 U1.AL15 U1.AL17 U1.AL20 U1.AL22 U1.AL24 U1.AL26 U1.AL28 U1.AL30 U1.AM8 U1.AM10 U1.AM12 U1.AM14 U1.AM16 U1.AM18 U1.AM20 U1.AM21 U1.AM23 U1.AM25 U1.AM27 U1.AM29 U1.AM31 U1.AM35 U1.AN7 U1.AN17 U1.AN24 U1.AN34 U1.AP4 U1.AP14 U1.AP18 U1.AP21 U1.AP31 U1.AR1 U1.AR5 U1.AR11 U1.AR26 U1.AR28 U1.AR36 U1.AT1 U1.AT2 U1.AT8 U1.AT18 U1.AT25 U1.AT27 U1.AT35 U1.AT36 U1.B1 U1.B9 U1.B11 U1.B26 U1.B32 U1.B36 U1.C6 U1.C16 U1.C19 U1.C23 U1.C33 U1.D3 U1.D13 U1.D20 U1.D30 U1.E2 U1.E6 U1.E8 U1.E10 U1.E12 U1.E14 U1.E16 U1.E17 U1.E19 U1.E21 U1.E23 U1.E25 U1.E27 U1.E29 U1.F7 U1.F9 U1.F11 U1.F13 U1.F15 U1.F17 U1.F20 U1.F22 U1.F24 U1.F26 U1.F28 U1.F30 U1.F32 U1.F34 U1.G4 U1.G6 U1.G8 U1.G10 U1.G12 U1.G14 U1.G16 U1.G18 U1.G19 U1.G21 U1.G23 U1.G25 U1.G27 U1.G29 U1.G31 U1.H1 U1.H5 U1.H7 U1.H9 U1.H11 U1.H13 U1.H15 U1.H17 U1.H20 U1.H22 U1.H24 U1.H26 U1.H28 U1.H30 U1.H32 U1.J6 U1.J8 U1.J10 U1.J12 U1.J14 U1.J16 U1.J18 U1.J19 U1.J21 U1.J23 U1.J25 U1.J27 U1.J29 U1.J31 U1.J35 U1.K5 U1.K7 U1.K9 U1.K11 U1.K13 U1.K15 U1.K17 U1.K20 U1.K22 U1.K24 U1.K26 U1.K28 U1.K30 U1.K32 U1.K36 U1.L2 U1.L6 U1.L8 U1.L10 U1.L12 U1.L14 U1.L16 U1.L18 U1.L19 U1.L21 U1.L23 U1.L25 U1.L27 U1.L29 U1.L31 U1.L35 U1.M5 U1.M7 U1.M9 U1.M11 U1.M13 U1.M15 U1.M17 U1.M20 U1.M22 U1.M24 U1.M26 U1.M28 U1.M30 U1.M32 U1.M36 U1.N6 U1.N8 U1.N10 U1.N12 U1.N14 U1.N16 U1.N18 U1.N19 U1.N21 U1.N23 U1.N25 U1.N27 U1.N29 U1.N31 U1.N33 U1.P3 U1.P5 U1.P7 U1.P9 U1.P11 U1.P13 U1.P15 U1.P17 U1.P20 U1.P22 U1.P24 U1.P26 U1.P28 U1.P30 U1.P32 U1.R6 U1.R8 U1.R10 U1.R12 U1.R14 U1.R16 U1.R18 U1.R19 U1.R21 U1.R23 U1.R25 U1.R27 U1.R29 U1.R31 U1.T5 U1.T7 U1.T9 U1.T11 U1.T13 U1.T15 U1.T17 U1.T20 U1.T22 U1.T24 U1.T26 U1.T28 U1.T30 U1.T32 U1.T34 U1.U4 U1.U6 U1.U8 U1.U10 U1.U12 U1.U14 U1.U16 U1.U18 U1.U19 U1.U21 U1.U23 U1.U25 U1.U27 U1.U29 U1.U31 U1.U32 U1.V1 U1.V3 U1.V5 U1.V7 U1.V9 U1.V11 U1.V13 U1.V15 U1.V17 U1.V20 U1.V22 U1.V24 U1.V26 U1.V28 U1.V30 U1.W7 U1.W9 U1.W11 U1.W13 U1.W15 U1.W17 U1.W20 U1.W22 U1.W24 U1.W26 U1.W28 U1.W30 U1.W32 U1.W34 U1.W36 U1.Y5 U1.Y6 U1.Y8 U1.Y10 U1.Y12 U1.Y14 U1.Y16 U1.Y18 U1.Y19 U1.Y21 U1.Y23 U1.Y25 U1.Y27 U1.Y29 U1.Y31 U1.Y33 U2.A1 U2.A2 U2.A10 U2.A12 U2.A19 U2.A29 U2.A35 U2.A36 U2.AA3 U2.AA5 U2.AA7 U2.AA9 U2.AA11 U2.AA13 U2.AA15 U2.AA17 U2.AA20 U2.AA22 U2.AA24 U2.AA26 U2.AA28 U2.AA30 U2.AA32 U2.AB6 U2.AB8 U2.AB10 U2.AB12 U2.AB14 U2.AB16 U2.AB18 U2.AB19 U2.AB21 U2.AB23 U2.AB25 U2.AB27 U2.AB29 U2.AB31 U2.AC5 U2.AC7 U2.AC9 U2.AC11 U2.AC13 U2.AC15 U2.AC17 U2.AC20 U2.AC22 U2.AC24 U2.AC26 U2.AC28 U2.AC30 U2.AC32 U2.AC34 U2.AD4 U2.AD6 U2.AD8 U2.AD10 U2.AD12 U2.AD14 U2.AD16 U2.AD18 U2.AD19 U2.AD21 U2.AD23 U2.AD25 U2.AD27 U2.AD29 U2.AD31 U2.AE1 U2.AE5 U2.AE7 U2.AE9 U2.AE11 U2.AE13 U2.AE15 U2.AE17 U2.AE20 U2.AE22 U2.AE24 U2.AE26 U2.AE28 U2.AE30 U2.AE32 U2.AF2 U2.AF6 U2.AF8 U2.AF10 U2.AF12 U2.AF14 U2.AF16 U2.AF18 U2.AF19 U2.AF21 U2.AF23 U2.AF25 U2.AF27 U2.AF29 U2.AF31 U2.AF35 U2.AG1 U2.AG5 U2.AG7 U2.AG9 U2.AG11 U2.AG13 U2.AG15 U2.AG17 U2.AG20 U2.AG22 U2.AG24 U2.AG26 U2.AG28 U2.AG30 U2.AG32 U2.AH2 U2.AH6 U2.AH8 U2.AH10 U2.AH12 U2.AH14 U2.AH16 U2.AH18 U2.AH19 U2.AH21 U2.AH23 U2.AH25 U2.AH27 U2.AH29 U2.AH31 U2.AJ5 U2.AJ7 U2.AJ9 U2.AJ11 U2.AJ13 U2.AJ15 U2.AJ17 U2.AJ20 U2.AJ22 U2.AJ24 U2.AJ26 U2.AJ28 U2.AJ30 U2.AJ32 U2.AJ36 U2.AK6 U2.AK8 U2.AK10 U2.AK12 U2.AK14 U2.AK16 U2.AK18 U2.AK19 U2.AK21 U2.AK23 U2.AK25 U2.AK27 U2.AK29 U2.AK31 U2.AK33 U2.AL3 U2.AL5 U2.AL7 U2.AL9 U2.AL11 U2.AL13 U2.AL15 U2.AL17 U2.AL20 U2.AL22 U2.AL24 U2.AL26 U2.AL28 U2.AL30 U2.AM8 U2.AM10 U2.AM12 U2.AM14 U2.AM16 U2.AM18 U2.AM20 U2.AM21 U2.AM23 U2.AM25 U2.AM27 U2.AM29 U2.AM31 U2.AM35 U2.AN7 U2.AN17 U2.AN24 U2.AN34 U2.AP4 U2.AP14 U2.AP18 U2.AP21 U2.AP31 U2.AR1 U2.AR5 U2.AR11 U2.AR26 U2.AR28 U2.AR36 U2.AT1 U2.AT2 U2.AT8 U2.AT18 U2.AT25 U2.AT27 U2.AT35 U2.AT36 U2.B1 U2.B9 U2.B11 U2.B26 U2.B32 U2.B36 U2.C6 U2.C16 U2.C19 U2.C23 U2.C33 U2.D3 U2.D13 U2.D20 U2.D30 U2.E2 U2.E6 U2.E8 U2.E10 U2.E12 U2.E14 U2.E16 U2.E17 U2.E19 U2.E21 U2.E23 U2.E25 U2.E27 U2.E29 U2.F7 U2.F9 U2.F11 U2.F13 U2.F15 U2.F17 U2.F20 U2.F22 U2.F24 U2.F26 U2.F28 U2.F30 U2.F32 U2.F34 U2.G4 U2.G6 U2.G8 U2.G10 U2.G12 U2.G14 U2.G16 U2.G18 U2.G19 U2.G21 U2.G23 U2.G25 U2.G27 U2.G29 U2.G31 U2.H1 U2.H5 U2.H7 U2.H9 U2.H11 U2.H13 U2.H15 U2.H17 U2.H20 U2.H22 U2.H24 U2.H26 U2.H28 U2.H30 U2.H32 U2.J6 U2.J8 U2.J10 U2.J12 U2.J14 U2.J16 U2.J18 U2.J19 U2.J21 U2.J23 U2.J25 U2.J27 U2.J29 U2.J31 U2.J35 U2.K5 U2.K7 U2.K9 U2.K11 U2.K13 U2.K15 U2.K17 U2.K20 U2.K22 U2.K24 U2.K26 U2.K28 U2.K30 U2.K32 U2.K36 U2.L2 U2.L6 U2.L8 U2.L10 U2.L12 U2.L14 U2.L16 U2.L18 U2.L19 U2.L21 U2.L23 U2.L25 U2.L27 U2.L29 U2.L31 U2.L35 U2.M5 U2.M7 U2.M9 U2.M11 U2.M13 U2.M15 U2.M17 U2.M20 U2.M22 U2.M24 U2.M26 U2.M28 U2.M30 U2.M32 U2.M36 U2.N6 U2.N8 U2.N10 U2.N12 U2.N14 U2.N16 U2.N18 U2.N19 U2.N21 U2.N23 U2.N25 U2.N27 U2.N29 U2.N31 U2.N33 U2.P3 U2.P5 U2.P7 U2.P9 U2.P11 U2.P13 U2.P15 U2.P17 U2.P20 U2.P22 U2.P24 U2.P26 U2.P28 U2.P30 U2.P32 U2.R6 U2.R8 U2.R10 U2.R12 U2.R14 U2.R16 U2.R18 U2.R19 U2.R21 U2.R23 U2.R25 U2.R27 U2.R29 U2.R31 U2.T5 U2.T7 U2.T9 U2.T11 U2.T13 U2.T15 U2.T17 U2.T20 U2.T22 U2.T24 U2.T26 U2.T28 U2.T30 U2.T32 U2.T34 U2.U4 U2.U6 U2.U8 U2.U10 U2.U12 U2.U14 U2.U16 U2.U18 U2.U19 U2.U21 U2.U23 U2.U25 U2.U27 U2.U29 U2.U31 U2.U32 U2.V1 U2.V3 U2.V5 U2.V7 U2.V9 U2.V11 U2.V13 U2.V15 U2.V17 U2.V20 U2.V22 U2.V24 U2.V26 U2.V28 U2.V30 U2.W7 U2.W9 U2.W11 U2.W13 U2.W15 U2.W17 U2.W20 U2.W22 U2.W24 U2.W26 U2.W28 U2.W30 U2.W32 U2.W34 U2.W36 U2.Y5 U2.Y6 U2.Y8 U2.Y10 U2.Y12 U2.Y14 U2.Y16 U2.Y18 U2.Y19 U2.Y21 U2.Y23 U2.Y25 U2.Y27 U2.Y29 U2.Y31 U2.Y33 U3.9 U3.20 U3.25 U3.41 U4.2 U4.3 U4.4 U4.5 U4.6 U4.7 U5.2 U6.6 U6.7 U7.4 U8.4 U9.6 U9.7 U11.4 U11.9 U12.4 U12.9 U13.4 U13.9 U14.4 U14.9 U15.4 U15.9 U16.4 U16.9 U17.4 U17.9 U18.4 U18.9 U19.4 U19.9 U20.4 U20.9 U21.4 U21.9 U22.4 U22.9 U23.4 U23.9 U24.4 U24.9 U25.4 U25.9 U26.4 U26.9